# KiCad board 8851_HW-U1-VCU118_REV2-0_071417.kicad_pcb (continued)
## Routing (per net, layer and track width the routed paths; a pad name or vN(x,y) marks a point on that pad's centre or on a via; arc(x,y) is an arc through that point) (continued)
  07_SIG3 w0.258: 92.9,65.3 91.62,65.3 91.45,65.47 91.45,66.38 84.84,73 83.52,73 81.91,74.6 80.97,74.6 80.62,74.95 80.12,74.95 79.94,74.76 79.94,74.26 78.83,73.15 78.83,72.4 78.65,72.22 78.38,72.22 78.25,72.35 78.25,72.99 78.1,73.14 77.86,73.14 77.7,72.98 77.7,72.37 77.55,72.22 77.28,72.22 77.15,72.35 77.15,72.99 77,73.14 76.76,73.14 76.6,72.98 76.6,72.37 76.45,72.22 76.18,72.22 76.05,72.35 76.05,72.99 75.9,73.14 75.66,73.14 75.5,72.98 75.5,72.37 75.35,72.22 74.71,72.22 74.5,72.43 74.5,73.26 74.64,73.39 75.05,73.39 75.19,73.53 75.19,73.81 75.05,73.94 74.64,73.94 74.5,74.08 74.5,75.05 74.36,75.19 74.11,75.19 73.95,75.03 73.95,72.44 73.79,72.28 73.16,72.28 72.75,72.69 72.75,74.15 73.33,74.73 73.33,75.36 73.49,75.53 73.7,75.53 73.84,75.67
  BOTTOM w0.15: 73.97,77.3 v1(74.37,76.9)
DDR4_C1_DQ53: length 56.4
  TOP w0.15: v2(101.61,61.85) 102.1,62.35
  07_SIG3 w0.17: 75.75,69.95 75.84,70.05 ; v1(74.37,82.41) 74.13,82.41 73.74,82.02 73.74,82.02 73.42,82.02 73.19,81.79 73.19,81.46 72.96,81.23 72.63,81.23 72.4,81 72.4,80.68 72.43,80.64 72.43,75.71 72.4,75.67 ; v2(101.61,61.85) 101.12,61.36 99.44,61.36 99.15,61.65 99.15,62.06 98.86,62.35 98.45,62.35 98.17,62.63 98.17,63.04 97.88,63.33 93.26,63.33 92.9,63.69
  07_SIG3 w0.258: 75.84,70.05 75.97,70.17 78.07,70.17 79.83,71.93 79.83,72.62 80.33,73.12 81.56,73.12 82.2,72.49 82.2,71.11 82.32,70.98 82.56,70.98 82.67,71.09 82.67,71.32 82.78,71.43 83.04,71.43 83.7,70.78 85.04,70.78 87.01,68.81 87.01,68.53 86.66,68.17 86.66,67.91 86.78,67.78 86.98,67.78 87.46,68.26 87.64,68.26 88.2,67.7 88.22,67.7 90.15,65.78 90.15,64.15 90.29,64.01 92.58,64.01 92.9,63.69 ; 75.75,69.95 72.15,69.95 71.89,70.21 71.89,71.79 71.55,72.12 71.55,74.99 71.84,75.28 72.26,75.28 72.4,75.41 72.4,75.67
  BOTTOM w0.15: 73.97,82.02 v1(74.37,82.41)
DDR4_C1_DQ54: length 56.2
  TOP w0.15: 103.09,63.33 v2(102.6,62.84)
  07_SIG3 w0.17: v2(102.6,62.84) 102.6,63.18 102.1,63.67 102.1,64.03 101.81,64.31 99.6,64.31 99.06,64.85 94.01,64.85 92.9,65.96 ; 74.94,75.67 74.76,75.85 74.76,76.93 74.76,76.93 74.76,77.06 74.53,77.3 73.32,77.3 73.18,77.43 73.18,79.77 73.33,79.92 73.46,79.92 73.58,79.8 v1(73.58,78.48)
  07_SIG3 w0.258: 92.9,65.96 92.87,65.98 92.25,65.98 92.13,66.11 92.13,66.61 92.08,66.66 92.08,66.67 84.6,74.15 83.33,74.15 82.12,75.35 81.17,75.35 80.93,75.59 79.55,75.59 79.42,75.45 79.42,74.4 79.28,74.26 79,74.26 78.87,74.4 78.87,75.45 78.73,75.59 78.53,75.59 78.39,75.45 78.39,73.76 78.27,73.63 77.99,73.63 77.84,73.78 77.84,75.42 77.7,75.56 77.42,75.56 77.29,75.43 77.29,73.76 77.17,73.63 76.89,73.63 76.74,73.78 76.74,75.46 76.61,75.59 76.36,75.59 76.19,75.42 76.19,73.76 76.07,73.63 75.79,73.63 75.64,73.78 75.64,74.32 75.5,74.46 75.16,74.46 75.03,74.59 75.03,74.87 75.16,75.01 75.5,75.01 75.64,75.14 75.64,75.45 75.5,75.59 75.03,75.59 74.94,75.67
  BOTTOM w0.15: 73.19,78.08 v1(73.58,78.48)
DDR4_C1_DQ55: length 56.2
  TOP w0.15: v2(101.61,62.84) 102.1,63.33
  07_SIG3 w0.17: 72.86,75.67 72.8,75.73 72.8,80.06 v1(73.58,80.84) ; v2(101.61,62.84) 101.12,62.35 99.44,62.35 99.15,62.63 99.15,63.04 98.86,63.33 98.45,63.33 98.17,63.62 98.17,64.03 97.94,64.25 93.22,64.25 92.9,64.57
  07_SIG3 w0.258: 92.9,64.57 92.83,64.65 90.92,64.65 90.8,64.77 90.8,66.12 85.03,71.89 83.7,71.89 81.64,73.95 80.38,73.95 79.3,72.88 79.3,72.18 78.85,71.72 78.21,71.72 78.07,71.58 78.07,70.88 77.93,70.74 77.68,70.74 77.52,70.9 77.52,71.61 77.38,71.75 77.11,71.75 76.97,71.61 76.97,70.73 76.83,70.59 76.56,70.59 76.42,70.73 76.42,71.61 76.28,71.75 76.01,71.75 75.87,71.61 75.87,70.73 75.73,70.59 75.46,70.59 75.32,70.73 75.32,71.61 75.18,71.75 74.91,71.75 74.77,71.61 74.77,70.73 74.63,70.59 74.36,70.59 74.22,70.73 74.22,71.07 74.08,71.21 73.81,71.21 73.67,71.07 73.67,70.73 73.53,70.59 72.83,70.59 72.57,70.85 72.57,72.13 72.28,72.42 72.28,74.51 72.86,75.09 72.86,75.67
  BOTTOM w0.15: 73.19,81.23 v1(73.58,80.84)
DDR4_C1_DQ56: length 39.1
  TOP w0.15: v2(100.63,63.82) 101.12,64.31
  03_SIG1 w0.17: 80.42,77.81 80.42,78.53 79.33,79.62 77.96,79.62 77.88,79.54 77.88,78.97 77.96,78.88 78.23,78.88 78.44,79.08 79.06,79.08 79.21,78.92 79.43,78.92 v1(79.88,78.48) ; v2(100.63,63.82) 100.82,64.02 100.82,64.71 100.69,64.85 100.44,64.85 100.32,64.73 100.32,64.26 100.11,64.05 100.11,63.54 99.9,63.33 98.36,63.33 98.17,63.52 98.17,64.23 97.82,64.58 97.82,65.03 97.68,65.17 97.23,65.17 97.05,65.35 97.05,65.45 97.18,65.59 97.18,65.99 96.89,66.28 96.49,66.28 96.2,66.57 96.2,67.01 95.94,67.27 95.49,67.27 95.21,67.54 95.21,68.06 95.03,68.25 93.3,68.25 92.9,68.65
  03_SIG1 w0.258: 92.9,68.65 86.61,74.94 86.61,74.95 85.64,75.92 85.63,75.92 84.37,77.19 83.74,77.19 83.35,76.8 82.21,76.8 82.05,76.64 81.59,76.64 81.18,77.06 80.8,77.06 80.66,77.19 80.66,77.56 80.42,77.81
  BOTTOM w0.15: 79.48,78.08 v1(79.88,78.48)
DDR4_C1_DQ57: length 39.4
  TOP w0.15: v2(100.63,62.84) 101.12,63.33
  03_SIG1 w0.17: 80.33,82.81 79.18,82.81 79.09,82.71 v1(79.09,82.41) ; 92.9,74.16 93.94,74.16 94.23,73.87 94.23,73.34 94.4,73.17 94.93,73.17 95.21,72.88 95.21,72.48 95.5,72.19 95.91,72.19 96.2,71.9 96.2,71.49 96.49,71.2 96.89,71.2 97.18,70.92 97.18,70.51 97.47,70.22 97.88,70.22 98.17,69.93 98.17,68.54 98.45,68.25 98.86,68.25 99.15,67.96 99.15,67.56 99.44,67.27 99.85,67.27 100.13,66.98 100.13,66.57 100.42,66.28 100.83,66.28 101.12,65.99 101.12,62.44 101.02,62.34 100.73,62.34 100.63,62.44 v2(100.63,62.84)
  03_SIG1 w0.258: 80.33,82.81 80.58,82.81 80.72,82.67 80.72,82.46 80.59,82.32 80.49,82.32 80.36,82.2 80.36,81.96 80.49,81.83 81.12,81.83 81.31,81.65 81.94,81.65 82.11,81.81 82.11,82.02 82.31,82.22 83.34,82.22 83.47,82.08 83.47,81.9 83.71,81.67 84.24,81.67 84.38,81.8 84.65,81.8 84.77,81.67 84.77,81.44 85,81.21 85.31,81.21 92.37,74.16 92.9,74.16
  BOTTOM w0.15: 78.7,82.02 v1(79.09,82.41)
DDR4_C1_DQ58: length 34.7
  TOP w0.15: v2(97.67,63.82) 98.17,64.31
  03_SIG1 w0.17: v2(97.67,63.82) 97.87,64.02 97.87,64.13 97.45,64.55 97.45,64.75 97.33,64.86 96.98,64.86 96.78,64.66 96.54,64.66 96,65.19 96,65.35 96.2,65.54 96.2,66.05 95.96,66.28 95.4,66.28 95.21,66.47 95.21,67.05 95,67.27 93.39,67.27 92.9,67.75 ; v1(78.3,78.48) 78.4,78.58 78.57,78.58 78.69,78.45 78.69,78.32 78.93,78.08 79.34,78.08 79.48,77.94 79.48,77.53 79.72,77.3 80.16,77.3 80.28,77.18 80.28,76.62 80.33,76.58
  03_SIG1 w0.258: 80.33,76.58 80.49,76.42 80.89,76.42 81.04,76.27 81.04,75.54 81.31,75.27 81.87,75.27 82.31,74.83 82.98,74.83 83.17,75.02 83.17,75.23 82.91,75.48 82.54,75.48 82.32,75.7 82.32,75.94 82.53,76.15 83.15,76.15 83.87,75.44 84.15,75.44 84.57,75.85 84.8,75.85 85.29,75.36 85.29,75.12 84.84,74.66 84.84,74.49 85.15,74.17 85.35,74.17 85.82,74.64 86.01,74.64 92.9,67.75
  BOTTOM w0.15: 77.91,78.08 v1(78.3,78.48)
DDR4_C1_DQ59: length 36.1
  TOP w0.15: v2(97.67,62.84) 98.17,63.33
  TOP w0.375: U1.E22 v2(114.41,83.51)
  03_SIG1 w0.17: v1(78.3,80.84) 77.91,81.23 77.35,81.23 77.12,81 77.12,80.22 77.04,80.14 76.79,80.14 76.7,80.05 76.7,79.87 76.79,79.79 77.06,79.79 77.14,79.7 77.14,79.53 77.05,79.44 76.79,79.44 76.7,79.35 76.7,79.17 76.79,79.09 77.04,79.09 77.12,79 77.12,78.31 77.35,78.08 78.47,78.08 78.7,77.85 78.7,77.53 78.93,77.3 79.25,77.3 79.48,77.06 79.48,75.87 79.68,75.67 ; 92.9,66.86 93.48,66.28 94.92,66.28 95.21,65.99 95.21,65.53 96.41,64.34 96.87,64.34 97.18,64.03 97.18,63.59 97.67,63.1 v2(97.67,62.84)
  03_SIG1 w0.258: 92.9,66.86 86.22,73.54 84.85,73.54 84.21,74.18 83.67,74.18 83.46,73.97 83.2,73.97 82.98,74.19 82.02,74.19 81.59,74.63 81.05,74.63 80.08,75.59 79.76,75.59 79.68,75.67
  BOTTOM w0.15: 77.91,81.23 v1(78.3,80.84)
DDR4_C1_DQ60: length 35
  TOP w0.15: v2(98.66,61.85) 99.15,62.35
  03_SIG1 w0.17: v1(78.3,76.9) 78.24,76.97 77.99,76.97 77.91,76.88 77.91,75.67 ; v2(98.66,61.85) 99.07,61.85 99.12,61.9 99.12,62.25 99.03,62.35 97.47,62.35 97.18,62.63 97.18,63.04 96.89,63.33 96.49,63.33 96.2,63.62 96.2,64.03 95.4,64.82 94.04,64.82 92.9,65.96
  03_SIG1 w0.258: 77.91,75.67 77.91,75.47 78.04,75.34 78.3,75.34 78.66,75.7 78.92,75.69 79.1,75.51 79.1,75.25 78.75,74.9 78.75,74.63 78.94,74.45 79.2,74.45 79.72,74.97 79.98,74.97 80.17,74.79 80.17,74.52 79.64,74 79.64,73.82 79.83,73.63 80.15,73.63 80.5,73.98 81.29,73.98 81.74,73.54 82.73,73.54 83.27,72.99 83.77,72.99 83.77,73 84.23,73 84.23,72.99 84.45,72.99 84.69,72.76 84.69,72.6 84.83,72.46 85.1,72.46 85.24,72.6 85.24,72.76 85.38,72.9 85.96,72.9 92.9,65.96
  BOTTOM w0.15: 77.91,77.3 v1(78.3,76.9)
DDR4_C1_DQ61: length 37.3
  TOP w0.15: v2(97.67,61.85) 98.17,62.35
  TOP w0.375: U1.E21 v2(113.42,83.51)
  03_SIG1 w0.17: v2(97.67,61.85) 97.4,61.85 96.9,62.35 96.49,62.35 96.2,62.63 96.2,63.04 95.91,63.33 95.5,63.33 95.21,63.62 95.21,64.03 94.89,64.35 93.62,64.35 92.9,65.07 ; v1(78.3,82.41) 77.91,82.02 77.35,82.02 77.12,81.79 77.12,81.46 76.89,81.23 76.57,81.23 76.34,81 76.34,78.31 76.57,78.08 76.89,78.08 77.12,77.85 77.12,75.67
  03_SIG1 w0.258: 77.12,75.67 77.12,75.58 79.6,73.1 81.21,73.1 81.42,72.9 82.15,72.9 83.16,71.89 84.41,71.89 84.49,71.81 86.16,71.81 92.9,65.07
  BOTTOM w0.15: 77.91,82.02 v1(78.3,82.41)
DDR4_C1_DQ62: length 35.9
  TOP w0.15: v2(98.66,65.79) 99.15,65.3
  03_SIG1 w0.17: 92.9,69.55 93.22,69.24 94.04,69.24 94.23,69.42 94.23,70 94.44,70.22 94.96,70.22 95.21,69.97 95.21,68.54 95.5,68.25 95.95,68.25 96.2,68.01 96.2,67.49 96.42,67.27 96.89,67.27 97.18,66.98 97.18,66.57 97.47,66.28 97.88,66.28 98.17,65.99 98.17,64.66 98.51,64.32 98.74,64.32 98.91,64.49 98.91,64.97 98.66,65.22 v2(98.66,65.79) ; v1(77.52,78.48) 77.52,79.89 77.67,80.05 79.49,80.05 80.33,79.22
  03_SIG1 w0.258: 92.9,69.55 84.55,77.9 83.35,77.9 83.01,77.56 81.7,77.56 81.04,78.23 81.04,78.5 80.33,79.22
  BOTTOM w0.15: 77.12,78.08 v1(77.52,78.48)
DDR4_C1_DQ63: length 37.6
  TOP w0.15: v2(98.66,63.82) 99.15,64.31
  03_SIG1 w0.17: v1(77.52,80.84) 77.96,80.4 79.76,80.4 80.3,79.86 80.33,79.86 ; v2(98.66,63.82) 98.85,63.63 99.08,63.63 99.17,63.72 99.17,64.15 99.27,64.25 99.6,64.25 99.7,64.35 99.7,64.55 99.62,64.62 99.29,64.62 99.2,64.71 99.2,64.9 99.3,65 99.62,65 99.7,65.08 99.7,65.28 99.6,65.38 99.29,65.38 99.15,65.51 99.15,65.99 98.86,66.28 98.34,66.28 98.17,66.46 98.17,66.98 97.88,67.27 97.37,67.27 97.18,67.46 97.18,67.96 96.89,68.25 96.41,68.25 96.2,68.47 96.2,69.93 95.91,70.22 95.57,70.22 95.42,70.22 95.21,70.43 95.21,70.92 94.93,71.2 94.52,71.2 94.23,70.92 94.23,70.45 94,70.22 93.13,70.22 92.9,70.45
  03_SIG1 w0.258: 80.33,79.86 80.59,79.86 81.23,79.22 81.91,79.22 82.21,78.91 82.21,78.5 82.39,78.32 82.83,78.32 83.01,78.5 83.01,78.89 83.33,79.22 84.13,79.22 84.72,78.62 84.72,78.62 92.9,70.45
  BOTTOM w0.15: 77.12,81.23 v1(77.52,80.84)
DDR4_C1_DQ64: length 54.1
  TOP w0.15: 94.23,65.3 v2(93.74,65.79)
  16_SIG5 w0.087: 80.33,70.03 80.31,70.05 ; 72.4,56.17 72.4,52.93 72.27,52.8 72.27,51.19 72.56,50.9 72.56,49.1 72.9,48.76 74.76,48.76 v1(75.15,49.15)
  16_SIG5 w0.138: v2(93.74,65.79) 93.29,65.79 93.18,65.9 89.97,65.9 85.12,70.75 83.54,70.75 82.1,72.2 82.1,72.63 81.63,73.1 79.74,73.1 79.28,72.64 79.28,70.51 79.56,70.22 80.13,70.22 80.31,70.05 ; 72.4,56.17 72.4,61.01 73.07,61.69 80.23,61.69 80.39,61.85 80.39,69.96 80.33,70.03
  BOTTOM w0.15: 74.76,49.55 v1(75.15,49.15)
DDR4_C1_DQ65: length 53.4
  TOP w0.15: 94.23,64.31 v2(93.74,63.82)
  16_SIG5 w0.087: v1(75.94,53.09) 75.55,53.48 75.55,56.17
  16_SIG5 w0.138: v2(93.74,63.82) 93.15,63.82 92.9,63.57 92.37,63.57 91.73,62.93 91.5,62.93 90.9,63.53 90.54,63.53 90.21,63.2 90.21,62.75 90.69,62.27 90.69,61.85 90.47,61.63 90.11,61.63 89.48,62.25 89.27,62.25 88.71,61.69 88.71,61.47 89.36,60.82 89.36,60.57 88.86,60.07 88.68,60.07 88.46,60.29 88.46,60.62 88.32,60.76 88.02,60.76 87.83,60.57 87.83,59.18 87.61,58.96 87.44,58.96 87.22,59.18 87.22,60.53 87.08,60.66 86.8,60.66 86.62,60.48 86.62,57.98 86.48,57.84 86.09,57.84 85.97,57.97 85.97,60.53 85.81,60.69 85.54,60.69 85.37,60.52 85.37,58.02 85.19,57.84 84.89,57.84 84.62,58.11 84.62,60.06 84.28,60.39 83.71,60.39 83.34,60.02 83.34,58.94 83.22,58.81 82.6,58.81 82.2,59.21 78.96,59.21 78.72,58.96 78.72,58.31 78.47,58.07 78.16,58.07 77.92,58.3 77.92,59 77.71,59.21 77.36,59.21 77.11,58.96 77.11,57.39 76.84,57.11 76.58,57.11 76.33,57.36 76.33,58.95 76.07,59.21 75.75,59.21 75.55,59.01 75.55,57.98 75.42,57.86 74.7,57.86 74.44,57.6 74.44,57.09 74.7,56.83 75.27,56.83 75.55,56.55 75.55,56.17
  BOTTOM w0.15: 75.55,53.48 v1(75.94,53.09)
DDR4_C1_DQ66: length 54.9
  TOP w0.15: 96.2,65.3 v2(95.71,65.79)
  16_SIG5 w0.087: v1(74.37,50.73) 74.37,50.49 74.76,50.1 74.76,49.78 74.99,49.54 75.32,49.54 75.55,49.31 75.55,47.95 75.58,47.92 ; v2(95.71,65.79) 95.97,65.79 96.46,66.28 98.86,66.28 99.15,65.99 99.15,62.63 98.86,62.35 98.45,62.35 98.17,62.06 98.17,61.65 97.88,61.36 97.47,61.36 97.18,61.07 97.18,60.67 96.89,60.38 96.49,60.38 96.2,60.09 96.2,59.68 95.91,59.39 95.5,59.39 95.21,59.1 95.21,58.7 94.93,58.41 94.52,58.41 94.23,58.12 94.23,57.71 93.94,57.42 93.35,57.42 92.9,56.98
  16_SIG5 w0.138: 75.58,47.92 75.58,43.33 76.18,42.73 80.25,42.73 80.66,42.33 81.71,42.33 82.07,41.96 85.01,41.96 85.01,41.96 85.64,41.96 91.49,47.8 91.49,55.57 92.9,56.98
  BOTTOM w0.15: 73.97,50.33 v1(74.37,50.73)
DDR4_C1_DQ67: length 54.6
  TOP w0.15: 96.2,64.31 v2(95.71,63.82)
  16_SIG5 w0.087: 92.9,64.33 93.07,64.33 93.2,64.46 94.04,64.46 94.23,64.27 94.23,63.62 94.52,63.33 95.12,63.33 95.61,63.82 v2(95.71,63.82) ; 74.57,56.17 74.76,55.99 74.76,53.48 v1(74.37,53.09)
  16_SIG5 w0.138: 74.57,56.17 73.73,57.02 73.73,58.01 73.98,58.27 74.35,58.27 74.6,58.53 74.6,59.04 74.35,59.3 73.98,59.3 73.73,59.56 73.73,60.3 74.07,60.64 75.36,60.64 75.62,60.39 75.62,60.06 75.88,59.8 76.39,59.8 76.65,60.06 76.65,60.39 76.91,60.64 77.49,60.64 77.66,60.47 77.66,60.47 77.94,60.19 78.05,60.08 81.03,60.08 81.34,60.39 82.28,60.39 83.04,61.14 83.04,66.3 83.21,66.47 84.27,66.47 84.76,66.96 84.76,68.29 84.96,68.49 85.21,68.49 86.65,67.05 86.65,66.86 86.06,66.27 85.34,66.27 84.68,65.62 84.68,61.61 84.8,61.49 85.37,61.49 85.63,61.75 85.63,62.22 85.88,62.47 86.4,62.47 86.66,62.22 86.66,61.75 86.91,61.49 87.39,61.49 88.81,62.91 88.81,64.11 89.03,64.33 92.9,64.33
  BOTTOM w0.15: 73.97,53.48 v1(74.37,53.09)
DDR4_C1_DQ68: length 54.1
  TOP w0.15: 95.21,64.31 v2(94.72,63.82)
  16_SIG5 w0.087: v2(94.72,63.82) 94.72,64.22 94.89,64.4 95.54,64.4 95.74,64.59 95.74,64.96 95.61,65.09 92.9,65.09 ; v1(74.37,49.15) 73.97,49.54 73.42,49.54 73.19,49.78 73.19,56.11 73.16,56.13 73.16,56.17
  16_SIG5 w0.138: 73.16,56.17 73.16,60.71 73.59,61.14 80.65,61.14 81.25,61.73 81.93,61.73 82.2,62.01 82.2,67.3 82.43,67.53 83.17,67.53 83.4,67.76 83.4,68.27 83.19,68.48 81.43,68.48 81.2,68.71 81.2,69.24 81.44,69.48 81.92,69.48 82.13,69.69 82.13,70.39 82.3,70.55 82.66,70.55 82.86,70.35 82.86,69.33 82.99,69.2 83.24,69.2 83.73,69.69 85.11,69.69 89.71,65.09 92.9,65.09
  BOTTOM w0.15: 73.97,49.55 v1(74.37,49.15)
DDR4_C1_DQ69: length 54.4
  TOP w0.15: 95.21,63.33 v2(94.72,62.84)
  TOP w0.375: v2(114.41,86.46) U1.B22
  16_SIG5 w0.087: 92.9,62.82 92.95,62.82 93.47,63.33 93.94,63.33 94.43,62.84 v2(94.72,62.84) ; v1(74.37,54.66) 73.97,54.27 73.97,52.93 74.2,52.7 76.1,52.7 76.34,52.93 76.34,56.17
  16_SIG5 w0.138: 76.34,56.17 76.34,56.3 76.54,56.5 77.76,56.5 77.92,56.67 77.92,57.15 78.21,57.44 79.02,57.44 79.17,57.59 79.17,58.09 79.38,58.31 80.23,58.31 80.36,58.18 80.36,57.78 80.53,57.61 80.91,57.61 81.28,57.98 82.73,57.98 83.02,57.69 83.02,56.08 83.38,55.71 84.38,55.71 84.8,55.29 84.8,52.28 84.9,52.18 85.56,52.18 85.74,52.36 85.74,56.02 85.49,56.28 84.81,56.28 84.61,56.48 84.61,56.57 84.59,56.59 84.59,56.82 84.79,57.02 86.32,57.02 86.55,56.79 86.55,52.3 86.67,52.18 87.07,52.18 87.24,52.34 87.24,57.29 92.76,62.82 92.9,62.82
  BOTTOM w0.15: 73.97,54.27 v1(74.37,54.66)
DDR4_C1_DQ70: length 54.1
  TOP w0.15: 95.21,62.35 v2(94.72,61.85)
  16_SIG5 w0.087: v2(94.72,61.85) 94.23,61.36 94.23,60.97 94.23,60.67 93.94,60.38 93.64,60.38 93.47,60.38 93.04,59.95 93.04,59.8 92.9,59.66 ; v1(73.58,50.73) 73.65,50.8 73.65,51.46 74.09,51.9 76.69,51.9 77.48,52.68 80.18,52.68 80.33,52.54
  16_SIG5 w0.138: 80.33,52.54 80.51,52.35 81.04,52.35 82.06,51.34 82.06,50.22 82.06,50.21 82.06,49.47 81.57,48.98 81.57,48.44 82.06,47.95 82.06,47.01 81.85,46.8 77.53,46.8 77.22,46.48 77.22,46.1 77.46,45.86 79.37,45.86 79.54,45.69 79.54,44.78 79.67,44.65 80.4,44.65 80.64,44.9 80.64,45.57 80.9,45.83 81.8,45.83 82.04,45.59 82.04,45.25 82.64,44.65 85.81,44.65 89.58,48.42 89.58,56.33 92.9,59.66
  BOTTOM w0.15: 73.19,50.33 v1(73.58,50.73)
DDR4_C1_DQ71: length 54.4
  TOP w0.15: 94.23,62.35 v2(93.74,61.85)
  16_SIG5 w0.087: v1(73.58,53.09) 73.58,52.54 73.73,52.39 76.58,52.39 77.12,52.93 77.12,53.25 77.35,53.48 80.33,53.48
  16_SIG5 w0.138: v2(93.74,61.85) 93.74,61.61 88.78,56.65 88.78,48.74 88.57,48.52 88.2,48.52 87.97,48.75 87.97,50.36 87.77,50.56 87.34,50.56 87.19,50.41 87.19,47.12 87.01,46.94 86.63,46.94 86.47,47.09 86.47,50.42 86.28,50.62 85.95,50.62 85.73,50.4 85.73,45.77 85.41,45.45 84.82,45.45 84.62,45.65 84.62,46.04 84.41,46.25 83.97,46.25 83.78,46.06 83.78,45.64 83.6,45.45 83.18,45.45 82.83,45.81 82.83,47.02 82.82,47.03 82.82,50.52 82.81,50.53 82.81,51.67 81,53.48 80.33,53.48
  BOTTOM w0.15: 73.19,53.48 v1(73.58,53.09)
DDR4_C1_DQ72: length 33.3
  TOP w0.15: 97.18,48.57 v2(96.69,48.07)
  05_SIG2 w0.17: v1(79.88,50.73) 80.28,50.73 80.33,50.77 ; 92.9,47.36 93.12,47.58 93.94,47.58 94.23,47.87 94.23,48.28 94.52,48.57 94.93,48.57 95.21,48.28 95.21,47.87 95.5,47.58 96.2,47.58 v2(96.69,48.07)
  05_SIG2 w0.258: 92.9,47.36 92.66,47.12 92.66,45.9 92.53,45.77 86.22,45.77 84.82,47.17 84.82,48.31 84.53,48.6 84.15,48.6 83.72,49.03 83.72,49.33 83.58,49.47 83.3,49.47 83.19,49.36 83.19,48.68 83.08,48.56 82.79,48.56 82.65,48.7 82.65,50.8 82.5,50.95 82.25,50.95 82.07,50.77 82.07,48.68 81.96,48.56 81.64,48.56 81.5,48.7 81.5,49.21 81.36,49.35 81.09,49.35 80.95,49.21 80.95,48.7 80.81,48.56 80.5,48.56 80.38,48.69 80.38,49.8 80.51,49.93 80.7,49.93 81.17,50.4 81.17,50.56 80.73,51 80.55,51 80.33,50.77
  BOTTOM w0.15: 79.48,50.33 v1(79.88,50.73)
DDR4_C1_DQ73: length 33.8
  TOP w0.15: 96.2,48.57 v2(95.71,48.07)
  05_SIG2 w0.17: 80.33,54.27 79.48,54.27 v1(79.09,54.66) ; v2(95.71,48.07) 95.71,48.39 95.21,48.89 95.21,50.25 94.92,50.53 93.37,50.53 93.24,50.66 92.9,50.66
  05_SIG2 w0.258: 92.9,50.66 92.47,50.66 92.14,50.33 90.61,50.33 90.33,50.61 88.95,50.61 88.76,50.8 88.76,53.12 88.62,53.25 88.35,53.25 88.21,53.12 88.21,50.8 88.07,50.66 87.8,50.66 87.66,50.8 87.66,53.12 87.52,53.25 87.25,53.25 87.11,53.12 87.11,50.8 86.97,50.66 86.67,50.66 86.54,50.78 86.54,54.21 86.22,54.53 81.15,54.53 80.89,54.27 80.33,54.27
  BOTTOM w0.15: 78.7,54.27 v1(79.09,54.66)
DDR4_C1_DQ74: length 33.7
  TOP w0.15: 95.21,49.55 v2(94.72,49.06)
  05_SIG2 w0.17: 92.9,48.26 93.21,48.57 93.97,48.57 94.46,49.06 v2(94.72,49.06) ; v1(78.3,50.73) 78.3,52.53 78.43,52.66 78.61,52.66 78.7,52.58 78.7,51.24 78.79,51.15 79.01,51.15 79.1,51.24 79.1,52.58 79.19,52.66 79.44,52.66 79.52,52.58 79.52,51.27 79.61,51.18 79.84,51.18 79.92,51.27 79.92,52.58 80.02,52.67 80.2,52.67 80.33,52.55 80.33,51.8 80.47,51.65
  05_SIG2 w0.258: 92.9,48.26 92.84,48.2 92.26,48.2 92,47.94 92,46.65 91.78,46.43 91.2,46.43 90.87,46.76 90.51,46.76 90.18,46.43 89.83,46.43 89.7,46.57 89.7,46.79 89.55,46.93 89.28,46.93 89.15,46.8 89.15,46.57 89.01,46.43 88.73,46.43 88.6,46.57 88.6,46.84 88.45,46.98 88.18,46.98 88.05,46.85 88.05,46.57 87.91,46.43 87.63,46.43 87.5,46.57 87.5,46.86 87.36,47 87.08,47 86.95,46.86 86.95,46.57 86.81,46.43 86.52,46.43 85.45,47.5 85.45,49.07 84.38,50.15 83.9,50.15 83.46,50.59 83.46,51.06 82.88,51.65 80.47,51.65
  BOTTOM w0.15: 77.91,50.33 v1(78.3,50.73)
DDR4_C1_DQ75: length 34.5
  TOP w0.15: 95.21,48.57 v2(94.72,48.07)
  05_SIG2 w0.17: 78.55,47.92 78.7,48.07 78.7,50.15 78.51,50.33 78.14,50.33 77.91,50.56 77.91,52.7 v1(78.3,53.09) ; v2(94.72,48.07) 94.72,47.7 94.23,47.2 94.23,45.76 94.09,45.62 93.5,45.62 92.98,45.09 92.9,45.09
  05_SIG2 w0.258: 92.9,45.09 85.94,45.09 83.11,47.92 80.55,47.92 79.85,47.23 75.3,47.23 75.1,47.43 75.1,47.71 75.26,47.87 78.49,47.87 78.55,47.92
  BOTTOM w0.15: 77.91,53.48 v1(78.3,53.09)
DDR4_C1_DQ76: length 36.5
  TOP w0.15: 96.2,51.52 v2(95.71,51.03)
  05_SIG2 w0.17: v1(78.3,49.15) 77.91,49.55 77.31,49.55 77.12,49.73 77.12,51.03 76.87,51.28 76.49,51.28 76.36,51.41 76.36,51.64 76.47,51.75 76.68,51.75 76.82,51.89 76.82,52.09 76.71,52.21 76.04,52.21 75.92,52.32 75.92,52.54 76.03,52.65 76.23,52.65 76.34,52.76 76.34,55.61 76.9,56.17 ; v2(95.71,51.03) 95.21,51.52 95.21,52.21 94.92,52.5 94.52,52.5 94.23,52.79 94.23,53.2 93.94,53.49 93.49,53.49 92.9,54.08 92.9,54.22
  05_SIG2 w0.258: 92.9,54.22 87.3,59.82 84.82,59.82 84.23,59.23 83.77,59.23 83.36,59.64 82.27,59.64 81.86,59.23 81.32,59.23 81.07,59.48 80.2,59.48 76.9,56.17
  BOTTOM w0.15: 77.91,49.55 v1(78.3,49.15)
DDR4_C1_DQ77: length 36.6
  TOP w0.15: 95.21,51.52 v2(94.72,51.03)
  05_SIG2 w0.17: v2(94.72,51.03) 94.35,51.03 93.9,51.48 92.9,51.48 ; v1(78.3,54.66) 78.51,54.66 78.91,55.06 80.33,55.06
  05_SIG2 w0.258: 80.33,55.06 80.68,55.06 81.27,55.65 86.97,55.65 87.2,55.42 87.2,54.06 87.33,53.93 87.53,53.93 87.67,54.07 87.67,55.57 87.81,55.71 88.08,55.71 88.22,55.57 88.22,55.22 88.36,55.08 89.28,55.08 89.42,54.95 89.42,54.67 89.28,54.53 88.36,54.53 88.22,54.4 88.22,54.07 88.36,53.93 89.26,53.93 89.43,53.76 89.43,51.42 89.59,51.26 89.81,51.26 89.96,51.41 89.96,53.84 90.09,53.98 90.37,53.98 90.51,53.84 90.51,51.35 90.66,51.2 90.93,51.2 91.06,51.32 91.06,52.75 91.19,52.89 91.47,52.89 91.61,52.75 91.61,51.27 91.79,51.09 91.97,51.09 92.18,51.3 92.18,51.77 92.28,51.87 92.51,51.87 92.9,51.48
  BOTTOM w0.15: 77.91,54.27 v1(78.3,54.66)
DDR4_C1_DQ78: length 35.8
  TOP w0.15: 95.21,52.5 v2(94.72,52.01)
  05_SIG2 w0.17: v2(94.72,52.01) 94.72,51.63 94.6,51.51 94.39,51.51 94.21,51.69 94.21,52.22 93.92,52.5 93.58,52.5 92.9,53.18 92.9,53.3 ; v1(77.52,50.73) 77.52,51.33 77.45,51.4 77.29,51.4 77.17,51.51 77.17,51.88 77.28,51.99 77.44,51.99 77.54,52.08 77.54,52.32 77.38,52.48 77.22,52.48 77.12,52.58 77.12,55.76 77.23,55.87 77.56,55.87 77.72,56.03 77.72,56.39 77.81,56.48 78.28,56.48 78.45,56.65
  05_SIG2 w0.258: 92.9,53.3 87.03,59.17 85.8,59.17 85.68,59.04 85.68,58.21 85.54,58.07 85.27,58.07 85.13,58.21 85.13,58.61 84.98,58.75 84.67,58.75 84.52,58.6 84.52,58.19 84.32,57.99 83.56,57.99 83.34,58.21 83.34,58.7 83.12,58.92 82.47,58.92 82.24,58.69 82.24,58.16 82.07,57.99 81.01,57.99 80.84,58.16 80.84,58.69 80.7,58.83 80.43,58.83 80.29,58.69 80.29,58.18 80.18,58.07 79.45,58.07 79.23,57.84 79.23,57.52 79.56,57.19 79.56,57 79.37,56.81 79.16,56.81 78.84,57.13 78.64,57.13 78.45,56.94 78.45,56.65
  BOTTOM w0.15: 77.12,50.33 v1(77.52,50.73)
DDR4_C1_DQ79: length 35.6
  TOP w0.15: 94.23,52.5 v2(93.74,52.01)
  05_SIG2 w0.17: v1(77.52,53.09) 77.79,53.09 77.91,53.21 77.91,55.68 78.11,55.88 79.1,55.88 79.19,55.96 79.19,56.19 79.28,56.28 79.57,56.28 79.66,56.19 79.66,55.96 79.75,55.88 80.05,55.88 80.13,55.95 80.13,56.1 80.13,56.1 80.13,56.17 ; 92.9,52.38 92.9,52.3 93.19,52.01 v2(93.74,52.01)
  05_SIG2 w0.258: 80.13,56.17 80.13,56.7 80.01,56.81 80.01,57.47 80.14,57.59 80.48,57.59 80.59,57.49 80.59,56.32 80.72,56.19 80.94,56.19 81.06,56.31 81.06,56.73 81.2,56.87 82,56.87 82.19,56.69 82.19,56.43 82.32,56.3 82.69,56.3 82.81,56.42 82.81,57.27 82.96,57.42 83.28,57.42 83.4,57.29 83.4,57.05 83.58,56.88 84.49,56.88 84.66,56.71 84.66,56.43 84.79,56.29 85.07,56.29 85.21,56.43 85.21,57.28 85.36,57.43 85.63,57.43 85.76,57.3 85.76,56.43 85.89,56.29 86.17,56.29 86.35,56.47 86.35,58.4 86.47,58.53 86.76,58.53 87.12,58.16 87.12,57.97 86.86,57.7 86.86,57.47 87.04,57.28 87.22,57.28 87.51,57.58 87.71,57.58 87.9,57.38 87.9,57.19 87.46,56.74 87.46,56.55 87.65,56.35 87.85,56.35 88.29,56.8 88.49,56.8 92.9,52.38
  BOTTOM w0.15: 77.12,53.48 v1(77.52,53.09)
DDR4_C1_DQS0_C: length 40.4
  TOP w0.142: v2(96.69,51.03) 97.18,51.52
  14_SIG4 w0.105: v2(96.69,51.03) 96.69,51.31 96.58,51.42 95.51,51.42 95.31,51.23 95.31,49.77 95,49.45 93.49,49.45 93.08,49.86 92.94,49.86 92.91,49.84 92.9,49.84
  14_SIG4 w0.106: 80.9,39.1 80.88,39.08 80.84,39.08 79.81,38.05 76.98,38.05 76.88,37.94 76.88,37.88 76.77,37.77 76.56,37.77 76.45,37.88 76.45,37.94 76.35,38.05 76.06,38.05 75.6,37.59 75.6,37.2 v1(75.94,36.85)
  14_SIG4 w0.138: 92.9,49.84 91.65,49.84 86.61,44.8 86.61,44.59 87.18,44.02 87.18,43.53 86.77,43.12 86.28,43.12 85.72,43.69 85.5,43.69 85.28,43.47 85.28,43.25 85.85,42.68 85.85,42.2 85.43,41.78 84.95,41.78 84.38,42.35 84.16,42.35 83.94,42.13 83.94,41.91 84.51,41.35 84.51,40.86 84.1,40.45 83.61,40.45 82.5,41.56 82.28,41.56 82.06,41.34 82.06,41.12 83.17,40.01 83.17,39.52 82.76,39.11 82.27,39.11 81.76,39.62 81.42,39.62 80.9,39.1
  BOTTOM w0.142: v1(75.94,36.85) 75.55,36.46
  vias: v1(75.15,36.06)
DDR4_C1_DQS0_T: length 40.5
  TOP w0.142: v2(96.69,52.01) 97.18,52.5
  14_SIG4 w0.105: v2(96.69,52.01) 96.69,51.72 96.58,51.62 95.42,51.62 95.11,51.31 95.11,49.85 94.92,49.65 93.58,49.65 93.15,50.08 92.96,50.08 92.9,50.14
  14_SIG4 w0.106: v1(75.15,36.85) 75.35,37.05 75.35,37.69 75.96,38.29 79.71,38.29 80.67,39.26 80.67,39.3 80.69,39.32
  14_SIG4 w0.138: 80.69,39.32 81.3,39.92 81.89,39.92 82.4,39.41 82.64,39.41 82.87,39.65 82.87,39.89 81.76,41 81.76,41.46 82.16,41.86 82.62,41.86 83.74,40.75 83.97,40.75 84.21,40.99 84.21,41.22 83.64,41.79 83.64,42.25 84.04,42.65 84.5,42.65 85.07,42.08 85.31,42.08 85.55,42.32 85.55,42.56 84.98,43.13 84.98,43.59 85.38,43.99 85.84,43.99 86.41,43.42 86.65,43.42 86.88,43.66 86.88,43.9 86.31,44.46 86.31,44.93 91.53,50.14 92.9,50.14
  BOTTOM w0.142: v1(75.15,36.85) 74.76,36.46
